# Altium PCB SAMA5D27-SOM1-MFG-03.PcbDoc (part 1 of 6) (continued)
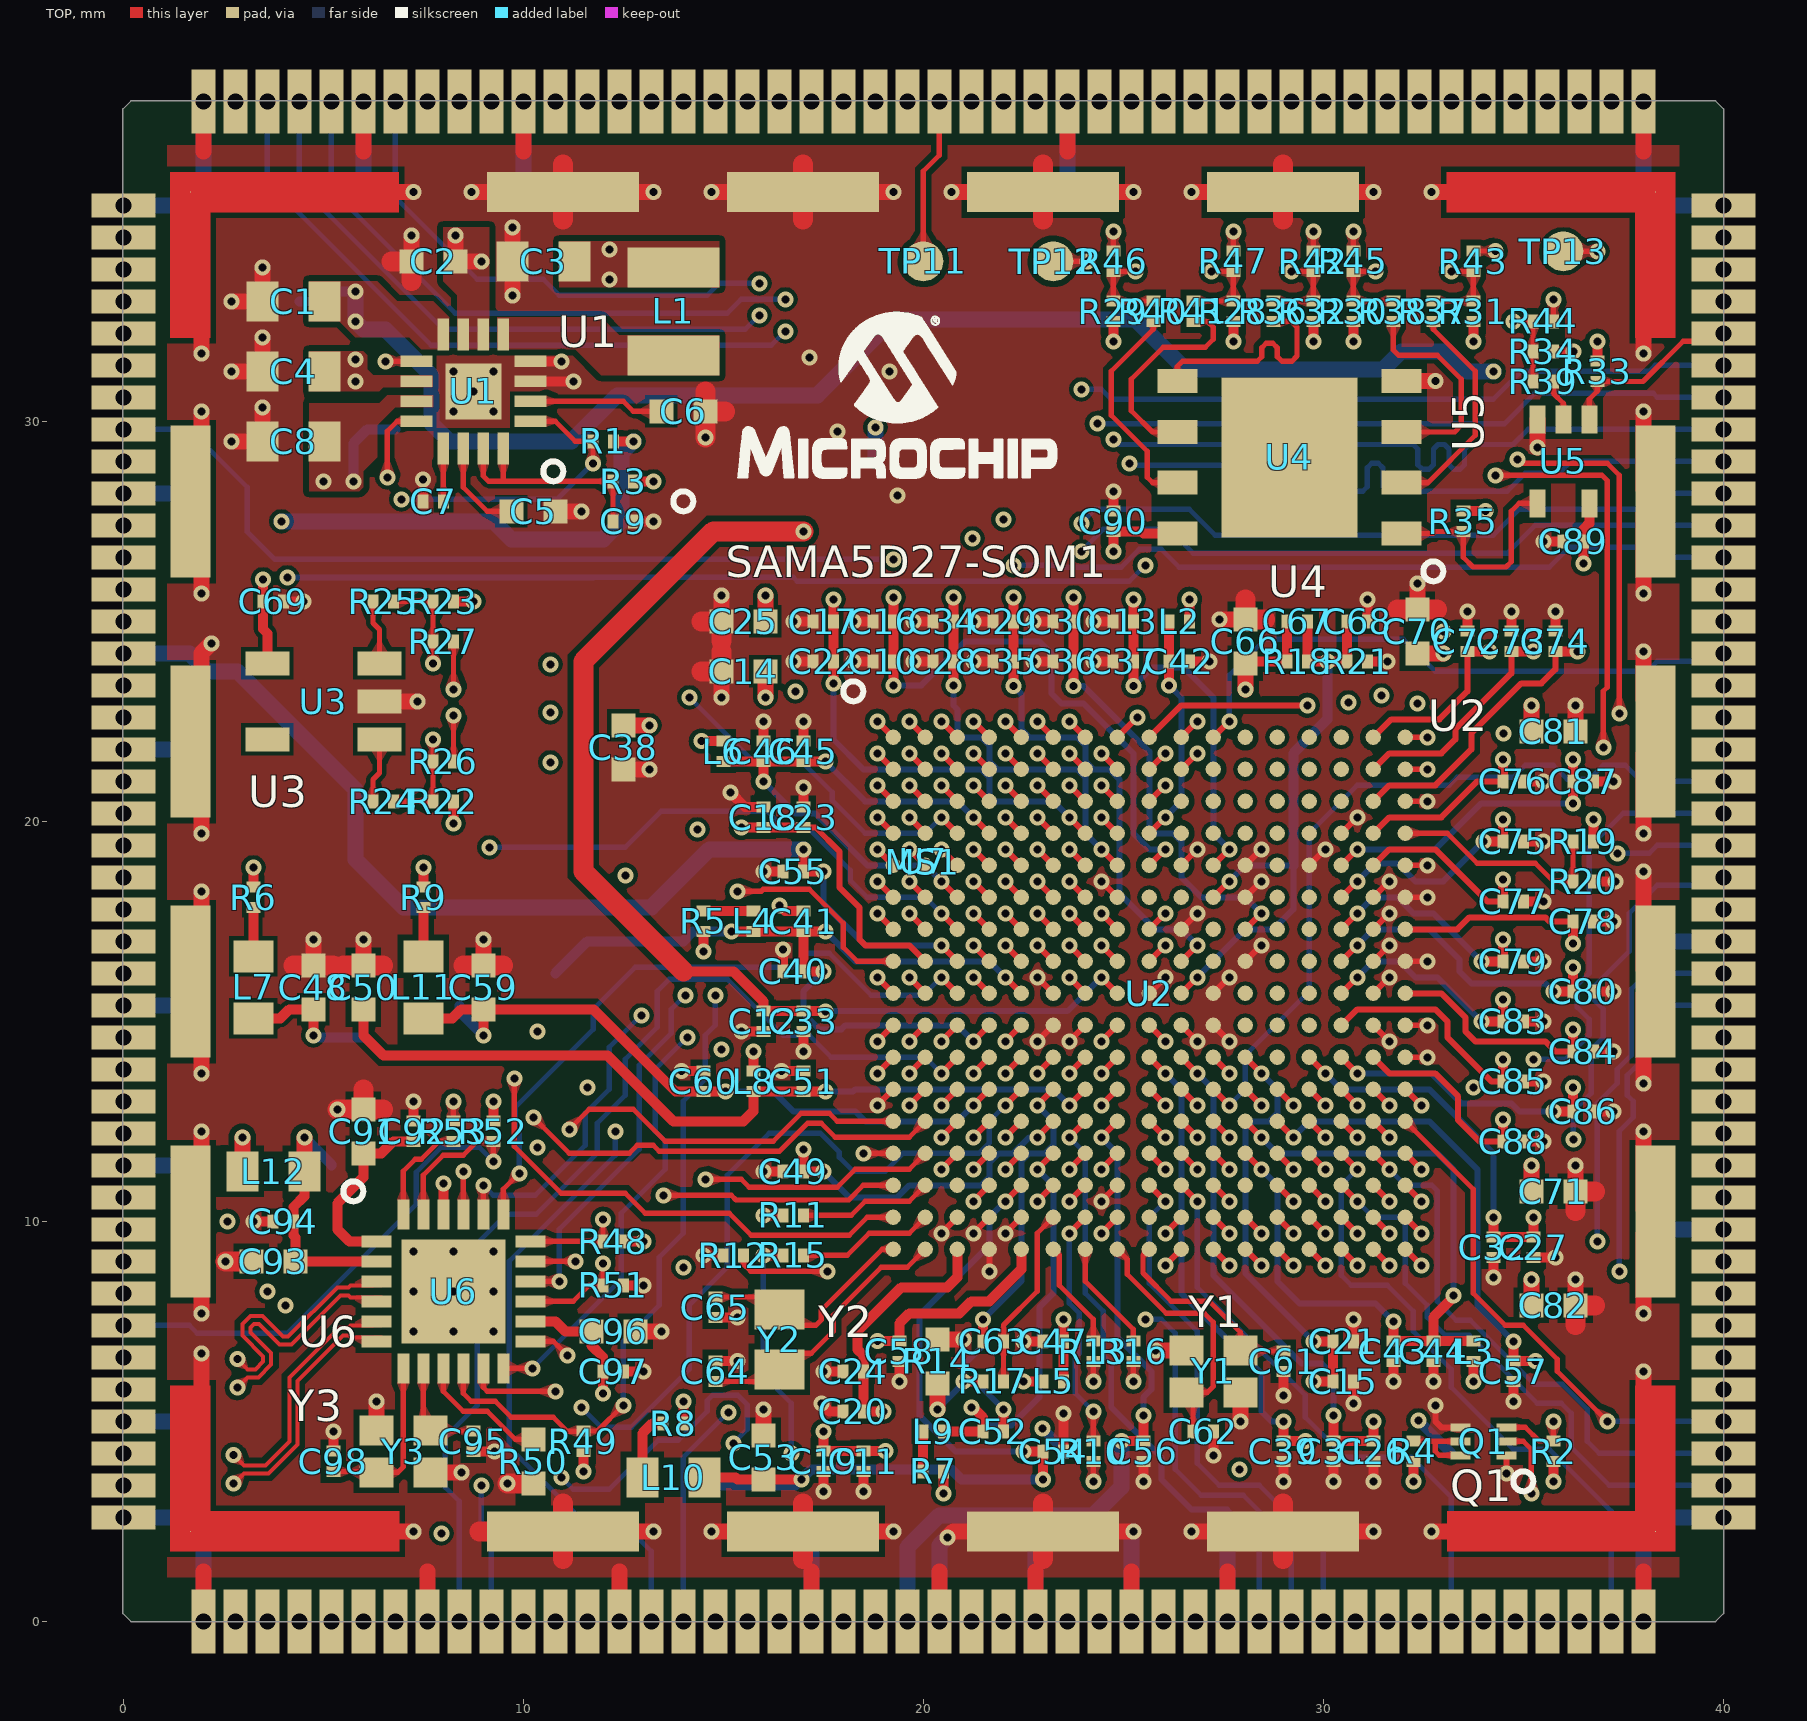
[diagram p0: TOP view]
## Footprints (in the part's own frame and the unit in brackets; to place one, negate y for a bottom-side part, rotate by r counter-clockwise, add the part's x,y. Pads: shape width x height; smd on the part's side, far side on the other; paste and mask are expansions set on the pad) (continued)
BMI-S-206-F_01 [mm] "BMI-S-206-F_01"
  oct 0.025x0.025 smd: 1(-18.315,16.74) 6(-18.315,-16.74) 11(18.315,-16.74) 16(18.315,16.74)
  rect 1x3.8 smd: 2(-18.315,9) 3(-18.315,3) 4(-18.315,-3) 5(-18.315,-9) 12(18.315,-9) 13(18.315,-3) 14(18.315,3) 15(18.315,9)
  rect 3.8x1 smd: 7(-8.995,-16.74) 8(-2.995,-16.74) 9(3.005,-16.74) 10(9.005,-16.74) 17(9.005,16.74) 18(3.005,16.74) 19(-2.995,16.74) 20(-8.995,16.74)
C0201 [mm] "C0201"
  rect 0.28x0.35 smd: 1(-0.255,0) 2(0.255,0)
C0402 [mm] "C0402"
  rect 0.6x0.6 smd: 1(-0.55,0) 2(0.55,0)
C0603 [mm] "C0603"
  rect 0.8x1 smd: 1(-0.775,0) 2(0.775,0)
L0201 [mm] "L0201"
  rect 0.28x0.35 smd: 1(-0.255,0) 2(0.255,0)
L0603_02 [mm] "L0603_02"
  rect 0.8x1 smd: 1(-0.775,0) 2(0.775,0)
L2520 [mm] "L2520"
  rect 1x2.3 smd: 1(-1.1,0) 2(1.1,0)
QFN16_02 [mm] "QFN16_02"
  rect 0.8x0.28 smd: 1(-1.425,0.75) 2(-1.425,0.25) 3(-1.425,-0.25) 4(-1.425,-0.75) 9(1.425,-0.75) 10(1.425,-0.25) 11(1.425,0.25) 12(1.425,0.75)
  rect 0.28x0.8 smd: 5(-0.75,-1.425) 6(-0.25,-1.425) 7(0.25,-1.425) 8(0.75,-1.425) 13(0.75,1.425) 14(0.25,1.425) 15(-0.25,1.425) 16(-0.75,1.425)
  rect 1.4x1.4 smd: 17(0,0)
QFN24_01 [mm] "QFN24_01"
  rect 0.75x0.3 smd: 1(-1.925,1.25) 2(-1.925,0.75) 3(-1.925,0.25) 4(-1.925,-0.25) 5(-1.925,-0.75) 6(-1.925,-1.25) 13(1.925,-1.25) 14(1.925,-0.75) 15(1.925,-0.25) 16(1.925,0.25) 17(1.925,0.75) 18(1.925,1.25)
  rect 0.3x0.75 smd: 7(-1.25,-1.925) 8(-0.75,-1.925) 9(-0.25,-1.925) 10(0.25,-1.925) 11(0.75,-1.925) 12(1.25,-1.925) 19(1.25,1.925) 20(0.75,1.925) 21(0.25,1.925) 22(-0.25,1.925) 23(-0.75,1.925) 24(-1.25,1.925)
  rect 2.6x2.6 smd: 25(0,0)
QUARTZ-NX2012SA_01 [mm] "QUARTZ-NX2012SA_01"
  rect 1x1.25 smd: 1(-0.75,0) 2(0.75,0)
QUARTZ-NX2016HA_01 [mm] "QUARTZ-NX2016HA_01"
  rect 0.85x0.75 smd: 1(-0.675,-0.525) 2(0.675,-0.525) 3(0.675,0.525) 4(-0.675,0.525)
QUARTZ-NX2016SA_01 [mm] "QUARTZ-NX2016SA_01"
  rect 0.85x0.75 smd: 1(-0.675,-0.525) 2(0.675,-0.525) 3(0.675,0.525) 4(-0.675,0.525)
R0201 [mm] "R0201"
  rect 0.28x0.35 smd: 1(-0.255,0) 2(0.255,0)
R0402 [mm] "R0402"
  rect 0.6x0.6 smd: 1(-0.55,0) 2(0.55,0)
SAMA5D27-DXG-SOM1 [mm] "SAMA5D27-DXG-SOM1"
  rect 1.6x0.6 hole 0.4: 1(-20,16.4) 2(-20,15.6) 3(-20,14.8) 4(-20,14) 5(-20,13.2) 6(-20,12.4) 7(-20,11.6) 8(-20,10.8) 9(-20,10) 10(-20,9.2) 11(-20,8.4) 12(-20,7.6) 13(-20,6.8) 14(-20,6) 15(-20,5.2) 16(-20,4.4) 17(-20,3.6) 18(-20,2.8) 19(-20,2) 20(-20,1.2) 21(-20,0.4) 22(-20,-0.4) 23(-20,-1.2) 24(-20,-2) 25(-20,-2.8) 26(-20,-3.6) 27(-20,-4.4) 28(-20,-5.2) 29(-20,-6) 30(-20,-6.8) 31(-20,-7.6) 32(-20,-8.4) 33(-20,-9.2) 34(-20,-10) 35(-20,-10.8) 36(-20,-11.6) 37(-20,-12.4) 38(-20,-13.2) 39(-20,-14) 40(-20,-14.8) 41(-20,-15.6) 42(-20,-16.4) 89(20,-16.4) 90(20,-15.6) 91(20,-14.8) 92(20,-14) 93(20,-13.2) 94(20,-12.4) 95(20,-11.6) 96(20,-10.8) 97(20,-10) 98(20,-9.2) 99(20,-8.4) 100(20,-7.6) 101(20,-6.8) 102(20,-6) 103(20,-5.2) 104(20,-4.4) 105(20,-3.6) 106(20,-2.8) 107(20,-2) 108(20,-1.2) 109(20,-0.4) 110(20,0.4) 111(20,1.2) 112(20,2) 113(20,2.8) 114(20,3.6) 115(20,4.4) 116(20,5.2) 117(20,6) 118(20,6.8) 119(20,7.6) 120(20,8.4) 121(20,9.2) 122(20,10) 123(20,10.8) 124(20,11.6) 125(20,12.4) 126(20,13.2) 127(20,14) 128(20,14.8) 129(20,15.6) 130(20,16.4)
  rect 0.6x1.6 hole 0.4: 43(-18,-19) 44(-17.2,-19) 45(-16.4,-19) 46(-15.6,-19) 47(-14.8,-19) 48(-14,-19) 49(-13.2,-19) 50(-12.4,-19) 51(-11.6,-19) 52(-10.8,-19) 53(-10,-19) 54(-9.2,-19) 55(-8.4,-19) 56(-7.6,-19) 57(-6.8,-19) 58(-6,-19) 59(-5.2,-19) 60(-4.4,-19) 61(-3.6,-19) 62(-2.8,-19) 63(-2,-19) 64(-1.2,-19) 65(-0.4,-19) 66(0.4,-19) 67(1.2,-19) 68(2,-19) 69(2.8,-19) 70(3.6,-19) 71(4.4,-19) 72(5.2,-19) 73(6,-19) 74(6.8,-19) 75(7.6,-19) 76(8.4,-19) 77(9.2,-19) 78(10,-19) 79(10.8,-19) 80(11.6,-19) 81(12.4,-19) 82(13.2,-19) 83(14,-19) 84(14.8,-19) 85(15.6,-19) 86(16.4,-19) 87(17.2,-19) 88(18,-19) 131(18,19) 132(17.2,19) 133(16.4,19) 134(15.6,19) 135(14.8,19) 136(14,19) 137(13.2,19) 138(12.4,19) 139(11.6,19) 140(10.8,19) 141(10,19) 142(9.2,19) 143(8.4,19) 144(7.6,19) 145(6.8,19) 146(6,19) 147(5.2,19) 148(4.4,19) 149(3.6,19) 150(2.8,19) 151(2,19) 152(1.2,19) 153(0.4,19) 154(-0.4,19) 155(-1.2,19) 156(-2,19) 157(-2.8,19) 158(-3.6,19) 159(-4.4,19) 160(-5.2,19) 161(-6,19) 162(-6.8,19) 163(-7.6,19) 164(-8.4,19) 165(-9.2,19) 166(-10,19) 167(-10.8,19) 168(-11.6,19) 169(-12.4,19) 170(-13.2,19) 171(-14,19) 172(-14.8,19) 173(-15.6,19) 174(-16.4,19) 175(-17.2,19) 176(-18,19)
SOT23-5_02 [mm] "SOT23-5_02"
  rect 0.6x1.1 smd: 1(-0.95,-1.405) 2(0,-1.405) 3(0.95,-1.405) 4(0.95,1.395) 5(-0.95,1.395)
SOT353_01 [mm] "SOT353_01"
  rect 0.7x0.4 smd: 1(-1.05,0.65) 2(-1.05,0) 3(-1.05,-0.65) 4(1.05,-0.65) 5(1.05,0.65)
SOT963_01 [mm] "SOT963_01"
  rect 0.2x0.5 smd: 1(-0.35,-0.575) 2(0,-0.575) 3(0.35,-0.575) 4(0.35,0.575) 5(0,0.575) 6(-0.35,0.575)
TP-CMSROND-1MM_02 [mm] "TP-CMSROND-1MM_02"
  round 1 smd: 1(0,0)
WDFN08_01 [mm] "WDFN08_01"
  rect 0.6x1 smd: 1(-1.905,-2.8) 2(-0.635,-2.8) 3(0.635,-2.8) 4(1.905,-2.8) 5(1.905,2.8) 6(0.635,2.8) 7(-0.635,2.8) 8(-1.905,2.8)
  rect 4x3.4 smd: 9(0,0)

## Part data
C1 C3 C8: library part C0603-10uF-X5R-10V-10%
C2 C48 C50 C53 C59 C66: library part C0402-4.7uF-X5R-6.3V-10%
C4: library part C0603-2.2uF-X7R-6.3V-10%
C5 C6: library part C0402-100nF-X7R-16V-10%
C7: library part C0201-10nF-X7R-10V
C9 C10 C11 C21 C22 C23 C24 C31 C32 C33 C34 C35 C36 C37 C39 C40 C41 C42 C43 C44 C45 C46 C47 C49 C51 C52 C54 C55 C56 C57 C58 C60 C67 C68 C69 C72 C73 C74 C75 C76 C77 C78 C79 C80 C83 C84 C85 C86 C87 C88 C89 C90 C92 C94 C97: library part C0201-100nF-X5R-6.3V
C12 C13 C15 C16 C17 C18 C19 C20 C26 C27 C28 C29 C30: library part C0201-1nF-X7R-16V-10%
C14 C25 C38 C93 C96: library part C0402-10uF-X5R-6.3V
C61 C62: library part C0201-12pF-C0G-50V
C63: library part C0201-10pF-C0G-25V
C64 C65: library part C0201-8pF-C0G-50V
C70 C71 C81 C82 C91: library part C0402-2.2uF-X5R-6.3V
C95 C98: library part C0201-22pF-C0G-50V
L1: library part MLP2520H2R2MT0S1
L2 L3 L4 L5 L6 L8 L9: library part BLM03AX100SZ1
L7 L10 L11: library part MLZ1608N100L
L12: library part BLM18PG181SN1D
MS1: library part BMI-S-206-F
Q1: library part DMN26D0UDJ-7
R1 R4: library part R0201-100K-5%
R2 R12 R33 R35 R51 R52: library part R0201-10K-5%
R3: library part R0201-56K-5%
R5 R7 R19 R20 R53: library part R0201-0R
R6 R8 R9: library part R0201-2.2R-5%
R10 R11 R15: library part R0201-100R-5%
R13 R16: library part R0201-100R-1%
R14: library part R0402-0R
R17: library part R0201-5.62K-1%
R18 R21: library part R0201-1.5K-1%
R22 R23: library part R0201-2.2K-5%
R24 R25 R26 R27 R36 R37 R38 R39 R40 R41 R42 R43 R44 R45 R46 R47: library part R0201-22R-5%
R28 R29 R30 R31 R32 R34: library part R0201-10K-5%-DNP
R48 R49: library part R0201-1K-5%
R50: library part R0402-6.49K-1%
TP1 TP2 TP3 TP4 TP5 TP6 TP7 TP8 TP9 TP10 TP11 TP12 TP13: library part TP
U1: library part MIC2800-G1JJYML
U2: library part SAMA5D27C-D1G-CU
U3: library part 24AA02E48T-I-OT
U4: library part SST26VF064B-104I-MF
U5: library part NL17SZ126DFT2G
U6: library part KSZ8081RNAIA
U7: library part SAMA5D27-SOM1-2
Y1: library part NX2016SA_24MHz
Y2: library part NX2012SA_32-768KHz
Y3: library part NX2016HA_25MHz

## Via types
v1: diameter 0.4, hole 0.2, TOP to BOTTOM, tented both sides, 644 vias

## Nets (pads, with @x,y where several pads share a name; then routed paths per layer and width w, separated by ;. In a path a pad name is that pad's centre, name@x,y a point inside that pad or via, vN(x,y) a via of type N, cw(c..) or ccw(c..) an arc to the next point about the centre after c; other vN are vias at no path point)
CLK_AUDIO: U2.T8 U7.61 | length 14.9
  TOP w0.15: v1(24.45,9.7) U2.T8@24.85,10.1
  IN2 w0.09: U7.61@16.4,0 16.4,1.25 17.45,2.3 18.3,2.3 20.8,4.8 22.25,4.8 23.25,5.8 23.25,6.2 24.15,7.1 24.15,8.4 24.45,8.7 v1(24.45,9.7)
COMPN: R16.2 U7.64 | length 10.8
  TOP w0.13: v1(25.25,6) R16.2@25.25,6.495
  IN2 w0.09: U7.64@18.8,0 18.8,1 19.1,1.3 20.5,1.3 21.4,2.2 22.85,2.2 23.85,3.2 23.85,3.95 24.85,4.95 24.85,5.6 v1(25.25,6)
COMPP: R13.2 U7.63 | length 10.9
  TOP w0.13: v1(24.25,6) R13.2@24.25,6.495
  IN2 w0.09: U7.63@18,0 18,1.05 18.65,1.7 19.4,1.7 20.3,2.6 22.7,2.6 23.45,3.35 23.45,4.5 23.875,4.925 23.875,5.625 v1(24.25,6)
DATA: U2.T12 U7.74 | length 11.3
  TOP w0.15: U2.T12@28.05,10.1 v1(28.45,9.7)
  IN2 w0.09: U7.74@26.8,0 26.8,1.35 28.6,3.15 28.6,6.45 28.85,6.7 28.85,9.3 v1(28.45,9.7)
DDR_VREF: C67.1 C68.2 R18.1 R21.2 U2.F11 U2.J10 | length 15.5
  TOP w0.15: U2.J10@26.45,15.7 v1(26.85,16.1) ; U2.F11@27.25,18.1 v1(27.65,18.5)
  TOP w0.25: C67.1@29.605,25 R18.1@29.605,24 v1(30.1,24) R21.2@30.595,24 C68.2@30.595,25
  BOTTOM w0.15: v1(26.85,16.1) 28.05,17.3 28.75,17.3 29.25,17.8 29.25,18.9 28.05,18.9 v1(27.65,18.5)
  BOTTOM w0.25: 29.25,18.9 29.25,21.7 30.1,22.55 v1(30.1,24)
DIS_BOOT: R33.2 U5.1 U7.126 | length 4.7
  TOP w0.13: U5.1@36.65,30.05 36.65,30.55 36.85,30.75 R33.2@36.85,30.995 37.995,30.995 39,32 39.8,32 U7.126@40,32.2
EEPROM_TWCK_PD22: R22.1 R24.2 R26.2 U2.L6 | length 24.3
  TOP w0.13: R24.2@6.755,20.5 R22.1@7.745,20.5 R26.2@7.745,21.5 v1(7.745,22.05)
  TOP w0.15: v1(22.85,13.7) U2.L6@23.25,14.1
  IN3 w0.09: v1(7.745,22.05) 7.35,21.655 7.35,20.247 12.41,15.187 12.41,14.737 14.362,12.785 17.735,12.785 18.25,13.3 22.45,13.3 v1(22.85,13.7)
EEPROM_TWD_PD21: R23.1 R25.2 R27.2 U2.P1 | length 24.1
  TOP w0.13: R25.2@6.755,25.5 R23.1@7.745,25.5 R27.2@7.745,24.5 v1(7.745,23.95) ; v1(18.5,11.7) U2.P1@19.25,11.7
  IN3 w0.09: v1(7.745,23.95) 6.95,23.155 6.95,20.25 10.131,17.07 10.131,16.958 9.917,16.745 9.917,16.633 9.997,16.554 10.108,16.554 10.322,16.767 10.433,16.767 10.513,16.688 10.513,16.576 10.299,16.362 10.299,16.251 10.379,16.171 10.49,16.171 10.703,16.385 10.815,16.385 12.1,15.1 12.1,14.65 14.25,12.5 17.05,12.5 17.85,11.7 v1(18.5,11.7)
EN_FUSE: C9.2 R3.2 U1.15 U1.16 | length 5.8
  TOP w0.13: U1.15@9,29.325 9,28.63 9.13,28.5 9.5,28.5 ; U1.16@9.5,29.325 9.5,28.5 ; C9.2@12.245,27.5 R3.2@12.245,28.5 9.5,28.5
ETH_INT_IRQ_PD31: R48.1 U2.M8 U6.18 | length 23.4
  TOP w0.13: U6.18@10.175,9.5 R48.1@11.995,9.5 v1(11.995,10.05)
  TOP w0.15: v1(24.45,12.9) U2.M8@24.85,13.3
  IN3 w0.09: v1(11.995,10.05) 11.45,10.05 10.45,9.05 10.45,8.2 11,7.65 14.4,7.65 15.45,8.7 15.45,10.25 15.8,10.6 18.95,10.6 20.05,11.7 23.85,11.7 24.05,11.9 24.05,12.5 v1(24.45,12.9)
ETH_LED0: R52.1 U6.23 U7.36 | length 15.4
  TOP w0.13: U6.23@7.5,10.175 7.5,11.15 8,11.65 8.5,11.65 8.85,12 9.245,12 R52.1@9.25,11.995 v1(9.25,11.5)
  BOTTOM w0.13: U7.36@0,7.4 1.65,7.4 1.85,7.2 4.1,7.2 7.325,10.425 7.325,11.225 7.95,11.85 8.9,11.85 v1(9.25,11.5)
ETH_RXM: U6.3 U7.37 | length 9.3
  TOP w0.1: v1(2.85,6.561) 3.111,6.3 3.3,6.3 3.498,6.498 3.498,6.622 2.98,7.14 2.98,7.43 3.185,7.635 3.475,7.635 3.993,7.118 4.118,7.118 5.35,8.35 5.629,8.35 5.679,8.4 6.225,8.4 U6.3@6.325,8.5
  IN2 w0.08: U7.37@0,6.6 0.25,6.35 0.9,6.35 0.935,6.315 2.604,6.315 v1(2.85,6.561)
ETH_RXP: U6.4 U7.38 | length 9.3
  TOP w0.1: v1(2.85,5.838) 3.111,6.1 3.383,6.1 3.698,6.415 3.698,6.705 3.18,7.223 3.18,7.347 3.268,7.435 3.393,7.435 3.91,6.918 4.2,6.918 5.433,8.15 5.629,8.15 5.679,8.1 6.225,8.1 U6.4@6.325,8
  IN2 w0.08: U7.38@0,5.8 0.25,6.05 0.9,6.05 0.935,6.085 2.603,6.085 v1(2.85,5.838)
ETH_TXM: U6.5 U7.40 | length 9.1
  TOP w0.1: v1(2.754,4.162) 3.016,3.9 3.55,3.9 4.15,4.5 4.15,6.095 5.405,7.35 5.629,7.35 5.679,7.4 6.225,7.4 U6.5@6.325,7.5
  IN2 w0.08: U7.40@0,4.2 0.25,3.95 0.9,3.95 0.935,3.915 2.508,3.915 v1(2.754,4.162)
ETH_TXP: U6.6 U7.41 | length 9.1
  TOP w0.1: v1(2.754,3.439) 3.016,3.7 3.633,3.7 4.35,4.417 4.35,6.012 5.488,7.15 5.629,7.15 5.679,7.1 6.225,7.1 U6.6@6.325,7
  IN2 w0.08: U7.41@0,3.4 0.25,3.65 0.9,3.65 0.935,3.685 2.508,3.685 v1(2.754,3.439)
ETH_XI: C95.2 U6.8 Y3.1 | length 2.7
  TOP w0.13: U6.8@7.5,6.325 7.5,4.95 Y3.1@7.675,4.775 7.695,4.755 C95.2@8.75,4.755
ETH_XO: C98.2 U6.7 Y3.3 | length 4.3
  TOP w0.13: C98.2@5.25,3.745 6.305,3.745 Y3.3@6.325,3.725 6.87,3.725 7,3.855 U6.7@7,6.325
GMDC_PD17: U2.K1 U6.11 | length 21.7
  TOP w0.13: U6.11@9,6.325 9,5.85 9.1,5.75 v1(10.8,5.75)
  TOP w0.15: v1(18.85,14.5) U2.K1@19.25,14.9
  IN2 w0.09: v1(10.35,14.75) 13.5,14.75 13.9,15.15 15.6,15.15 16.1,14.65 17.2,14.65 17.35,14.5 v1(18.85,14.5)
  IN3 w0.09: v1(10.35,14.75) 10.75,14.35 10.75,10.9 9.9,10.05 9.9,7.2 10.8,6.3 v1(10.8,5.75)
GMDIO_PD18: R49.1 U2.J7 U6.10 | length 26.5
  TOP w0.13: U6.10@8.5,6.325 8.5,5.7 8.7,5.5 9.3,5.5 9.7,5.1 10.75,5.1 11.1,4.75 11.495,4.75 R49.1@11.5,4.755 11.855,4.755 v1(12.5,5.4)
  TOP w0.15: v1(23.65,16.1) U2.J7@24.05,15.7
  IN3 w0.09: v1(14.8,15.65) 15.3,16.15 16.45,16.15 16.725,15.875 18.275,15.875 18.45,15.7 23.25,15.7 v1(23.65,16.1)
  BOTTOM w0.13: v1(12.5,5.4) 12.5,7 13.4,7.9 13.4,9.1 14,9.7 14,13 14.55,13.55 14.55,14.65 14.8,14.9 v1(14.8,15.65)
GND: C1.2 C2.1 C3.1 C4.1 C5.1 C6.1 C7.1 C8.1 C9.1 C10.1 C11.1 C12.1 C13.1 C14.1 C15.1 C16.1 C17.1 C18.1 C19.1 C20.1 C21.1 C22.1 C23.1 C24.1 C25.1 C26.1 C27.1 C28.1 C29.1 C30.1 C31.1 C32.1 C33.1 C34.1 C35.1 C36.1 C37.1 C38.1 C39.1 C40.1 C41.1 C42.1 C43.1 C44.1 C45.1 C46.1 C47.1 C48.1 C49.1 C50.1 C51.1 C53.1 C54.1 C55.1 C56.1 C57.1 C58.1 C59.1 C60.1 C61.1 C62.1 C64.1 C65.1 C66.1 C68.1 C69.1 C70.1 C71.1 C72.1 C73.1 C74.1 C75.1 C76.1 C77.1 C78.1 C79.1 C80.1 C81.1 C82.1 C83.1 C84.1 C85.1 C86.1 C87.1 C88.1 C89.1 C90.1 C91.2 C92.1 C93.1 C94.1 C95.1 C96.1 C97.1 C98.1 MS1.1 MS1.2 MS1.3 MS1.4 MS1.5 MS1.6 MS1.7 MS1.8 MS1.9 MS1.10 MS1.11 MS1.12 MS1.13 MS1.14 MS1.15 MS1.16 MS1.17 MS1.18 MS1.19 MS1.20 Q1.1 Q1.4 R12.1 R14.1 R20.2 R21.1 R50.1 R51.1 U1.3 U1.4 U1.17 U2.A17 U2.B17 U2.C17 U2.D6 U2.D15 U2.E3 U2.E10 U2.E12 U2.E14 U2.E17 U2.F2 U2.F8 U2.F12 U2.F16 U2.F17 U2.G10 U2.G16 U2.H5 U2.H12 U2.H16 U2.H17 U2.J6 U2.J9 U2.J11 U2.J16 U2.K6 U2.K7 U2.K10 U2.K11 U2.K16 U2.K17 U2.L17 U2.M1 U2.M12 U2.M14 U2.P5 U2.P11 U2.R6 U2.R8 U2.T3 U2.T4 U2.T5 U2.U4 U3.2 U4.4 U5.3 U6.22 U6.25 U7.1 U7.10 U7.18 U7.26 U7.31 U7.39 U7.42 U7.43 U7.50 U7.56 U7.62 U7.66 U7.69 U7.72 U7.75 U7.88 U7.89 U7.98 U7.107 U7.130 U7.131 U7.149 U7.166 U7.171 U7.176 Y1.2 Y1.4 Y3.2 Y3.4 | length 392.8
  TOP w0.13: U2.L17@32.05,14.1 v1(32.6,14.1) ; U2.K17@32.05,14.9 v1(32.6,14.9) ; U2.H17@32.05,16.5 v1(32.6,16.5) ; U2.F17@32.05,18.1 v1(32.6,18.1) ; U2.E17@32.05,18.9 v1(32.6,18.9) ; U2.C17@32.05,20.5 v1(32.6,20.5) ; U2.B17@32.05,21.3 v1(32.6,21.3) ; U2.A17@32.05,22.1 v1(32.6,22.1)
  TOP w0.15: v1(18.85,12.9) U2.M1@19.25,13.3 ; v1(19.65,18.5) U2.F2@20.05,18.1 ; v1(20.45,9.7) U2.T3@20.85,10.1 ; v1(20.45,19.3) U2.E3@20.85,18.9 ; v1(21.25,9.7) U2.T4@21.65,10.1 ; v1(21.65,8.75) U2.U4@21.65,9.3 ; v1(22.05,9.7) U2.T5@22.45,10.1 ; v1(22.05,11.3) U2.P5@22.45,11.7 ; v1(22.05,16.9) U2.H5@22.45,16.5 ; v1(22.85,10.5) U2.R6@23.25,10.9 ; v1(22.85,14.5) U2.K6@23.25,14.9 ; v1(22.85,16.1) U2.J6@23.25,15.7 ; v1(22.85,20.1) U2.D6@23.25,19.7 ; v1(23.65,14.5) U2.K7@24.05,14.9 ; v1(24.45,10.5) U2.R8@24.85,10.9 ; v1(24.45,18.5) U2.F8@24.85,18.1 ; U2.J9@25.65,15.7 v1(26.05,16.1) ; U2.K10@26.45,14.9 v1(26.85,14.5) ; U2.G10@26.45,17.3 v1(26.85,17.7) ; U2.E10@26.45,18.9 v1(26.85,19.3) ; U2.P11@27.25,11.7 v1(27.65,11.3) ; U2.K11@27.25,14.9 v1(27.65,14.5) ; U2.J11@27.25,15.7 v1(27.65,16.1) ; U2.M12@28.05,13.3 v1(28.45,12.9) ; U2.H12@28.05,16.5 v1(28.45,16.9) ; U2.F12@28.05,18.1 v1(28.45,18.5) ; U2.E12@28.05,18.9 v1(28.45,19.3) ; U2.M14@29.65,13.3 v1(30.05,12.9) ; U2.E14@29.65,18.9 v1(30.05,19.3) ; U2.D15@30.45,19.7 v1(30.85,20.1) ; U2.K16@31.25,14.9 v1(31.65,14.5) ; U2.J16@31.25,15.7 v1(31.65,16.1) ; U2.H16@31.25,16.5 v1(31.65,16.9) ; U2.G16@31.25,17.3 v1(31.65,17.7) ; U2.F16@31.25,18.1 v1(31.65,18.5) ; v1(32.8,5.4) 32.8,5 32.95,4.85 Q1.4@33.425,4.85 ; v1(34.575,3.7) Q1.1@34.575,4.15
  TOP w0.25: v1(3.25,10) C94.1@3.745,10 ; C69.1@4.005,25.5 v1(4.5,25.5) ; C98.1@5.25,4.255 v1(5.25,4.75) ; C92.1@7.25,12.505 v1(7.25,13) ; C7.1@7.495,28 v1(7.495,28.55) ; U6.22@8,10.175 v1(8,10.95) ; C95.1@8.75,4.245 v1(9.275,4.245) ; U1.3@10.175,31 v1(11.25,31) ; U1.4@10.175,31.5 v1(10.95,31.5) ; C97.1@12.505,6.25 v1(13,6.25) ; R51.1@12.505,8.4 v1(13,8.4) ; C9.1@12.755,27.5 v1(13.25,27.5) ; v1(13.95,13.755) C60.1@14.5,13.755 ; v1(14.5,9.15) R12.1@14.995,9.15 ; C64.1@14.8,6.505 v1(15.35,6.505) ; C65.1@14.8,7.595 v1(15.35,7.595) ; v1(15.175,20.725) 15.545,20.355 C18.1@16,20.355 ; v1(15.45,14.745) C12.1@16,14.745 ; v1(16,11.25) C49.1@16.495,11.25 ; v1(16,18.75) C55.1@16.495,18.75 ; C46.1@16,22.005 v1(16,22.5) ; v1(16.4,17.9) 16.545,17.755 C41.1@17,17.755 ; v1(16.45,13.755) C51.1@17,13.755 ; C40.1@16.495,16.25 v1(16.495,16.8) ; v1(16.75,24) C22.1@17.245,24 ; v1(16.75,25) C17.1@17.245,25 ; v1(17,14.25) C33.1@17,14.745 ; C23.1@17,20.355 v1(17,20.85) ; C45.1@17,22.005 v1(17,22.5) ; v1(17.45,5.45) 17.65,5.25 C20.1@17.995,5.25 ; v1(17.5,3.25) C19.1@17.5,3.745 ; v1(17.5,6.25) C24.1@17.995,6.25 ; v1(18.25,24) C10.1@18.745,24 ; v1(18.25,25) C16.1@18.745,25 ; v1(18.5,3.25) C11.1@18.5,3.745 ; v1(19.4,6) C58.1@19.4,6.495 ; v1(19.75,24) C28.1@20.245,24 ; v1(19.75,25) C34.1@20.245,25 ; v1(21.25,24) C35.1@21.745,24 ; v1(21.25,25) C29.1@21.745,25 ; v1(22.5,7) C47.1@22.995,7 ; v1(22.75,24) C36.1@23.245,24 ; v1(22.75,25) C30.1@23.245,25 ; C54.1@23.505,4.25 v1(23.505,5.2) ; v1(24.25,24) C37.1@24.745,24 ; v1(24.25,25) C13.1@24.745,25 ; C90.1@24.75,27.755 v1(24.75,28.25) ; v1(25.5,3.5) C56.1@25.5,3.995 ; C42.1@26.655,24 v1(27.15,24) ; v1(27.255,4.15) C62.1@27.255,4.75 ; v1(29,3.5) C39.1@29,3.995 ; v1(29,5.65) C61.1@29,6.245 ; v1(30.25,3.5) C31.1@30.25,3.995 ; v1(30.755,5.45) C15.1@30.755,6 ; C21.1@30.755,7 v1(30.755,7.55) ; R21.1@31.105,24 v1(31.6,24) ; C68.1@31.105,25 v1(31.105,25.55) ; v1(31.25,3.5) C26.1@31.25,3.995 ; v1(31.75,6) C43.1@31.75,6.495 ; v1(32.75,6) C44.1@32.75,6.495 ; C72.1@33.6,24.755 v1(33.6,25.25) ; v1(34.25,8.6) C32.1@34.25,9.095 ; C73.1@34.7,24.755 v1(34.7,25.25) ; v1(34.75,5.5) C57.1@34.75,5.995 ; C88.1@35.005,12 v1(35.5,12) ; C85.1@35.005,13.5 v1(35.5,13.5) ; C83.1@35.005,15 v1(35.5,15) ; C79.1@35.005,16.5 v1(35.5,16.5) ; C77.1@35.005,18 v1(35.5,18) ; C75.1@35.005,19.5 v1(35.5,19.5) ; C76.1@35.005,21 v1(35.5,21) ; C27.1@35.25,9.095 v1(35.8,9.095) ; v1(35.5,27) C89.1@35.995,27 ; C74.1@35.8,24.755 v1(35.8,25.25) ; C86.1@36.755,12.75 v1(37.25,12.75) ; C84.1@36.755,14.25 v1(37.25,14.25) ; C80.1@36.755,15.75 v1(37.25,15.75) ; C78.1@36.755,17.5 v1(37.25,17.5) ; R20.2@36.755,18.5 v1(37.3,18.5) ; C87.1@36.755,21 v1(37.25,21)
  TOP w0.4: v1(1.95,6.7) 1.95,2.525 MS1.6@1.675,2.25 v1(7.25,2.25) ; v1(1.95,7.7) 1.95,9.715 MS1.5@1.675,9.99 1.95,10.265 v1(1.95,12.25) ; v1(1.95,13.7) 1.95,15.715 MS1.4@1.675,15.99 1.95,16.265 v1(1.95,18.25) ; v1(1.95,19.7) 1.95,21.715 MS1.3@1.675,21.99 1.95,22.265 1.95,24.2 v1(2.2,24.45) ; v1(1.95,25.7) 1.95,27.715 MS1.2@1.675,27.99 1.95,28.265 v1(1.95,30.25) ; v1(1.95,31.7) 1.95,35.455 MS1.1@1.675,35.73 v1(7.25,35.73) ; U7.43@2,0 2,1.25 ; 2,36.75 U7.176@2,38 ; v1(2.7,29.5) C8.1@3.475,29.5 v1(3.475,30.35) ; v1(2.7,31.25) C4.1@3.475,31.25 v1(3.475,32.1) ; v1(2.7,33) C1.2@3.475,33 v1(3.475,33.85) ; C48.1@4.75,16.4 v1(4.75,17.05) ; C50.1@6,16.4 v1(6,17.05) ; 6,36.75 U7.171@6,38 ; Y3.2@6.325,4.775 v1(6.325,5.5) ; U3.2@6.405,23 v1(7.35,23) ; C2.1@7.2,34 v1(7.2,34.65) ; U7.50@7.6,0 7.6,1.25 ; Y3.4@7.675,3.725 v1(8.45,3.725) ; v1(8.7,35.73) MS1.20@10.995,35.73 v1(13.25,35.73) ; C59.1@9,16.4 v1(9,17.05) ; v1(9.725,33.15) v1(9.725,34.85) ; 10,36.75 U7.166@10,38 ; C5.1@10.8,27.75 v1(11.45,27.75) ; MS1.7@10.995,2.25 v1(13.25,2.25) ; U7.56@12.4,0 12.4,1.25 ; C38.1@12.5,21.3 v1(13.15,21.3) ; C96.1@12.8,7.25 v1(13.45,7.25) ; v1(14.7,2.25) MS1.8@16.995,2.25 v1(19.25,2.25) ; v1(14.7,35.73) MS1.19@16.995,35.73 v1(19.25,35.73) ; v1(14.95,23.1) C14.1@14.95,23.75 ; C25.1@14.95,25 v1(14.95,25.65) ; C53.1@16,4.65 v1(16,5.3) ; U7.62@17.2,0 17.2,1.25 ; R14.1@20.35,7.05 v1(21,7.05) ; U7.66@20.4,0 20.4,1.25 ; v1(20.6,2.1) 20.75,2.25 MS1.9@22.995,2.25 v1(25.25,2.25) ; v1(20.7,35.73) MS1.18@22.995,35.73 v1(25.25,35.73) ; U7.69@22.8,0 22.8,1.25 ; 23.6,36.75 U7.149@23.6,38 ; U7.72@25.2,0 25.2,1.25 ; v1(25.8,6.775) Y1.2@26.575,6.775 ; v1(26.7,2.25) MS1.10@28.995,2.25 v1(31.25,2.25) ; v1(26.7,35.73) MS1.17@28.995,35.73 v1(31.25,35.73) ; v1(27.4,25.05) C66.1@28.05,25.05 ; U7.75@27.6,0 27.6,1.25 ; v1(27.925,5) Y1.4@27.925,5.725 ; U4.4@31.95,31.005 v1(32.8,31.005) ; C70.1@32.35,25.3 v1(32.35,25.95) ; v1(32.7,2.25) MS1.11@38.305,2.25 38,2.555 v1(38,6.25) ; v1(32.7,35.73) MS1.16@38.305,35.73 38,35.425 v1(38,31.7) ; v1(35.35,29.35) U5.3@35.35,30.05 ; C82.1@36.3,7.9 v1(36.3,8.55) ; C71.1@36.3,10.75 v1(36.3,11.4) ; C81.1@36.3,22.25 v1(36.3,22.9) ; U7.88@38,0 38,1.25 ; v1(38,7.7) 38,9.685 MS1.12@38.305,9.99 38,10.295 v1(38,12.25) ; v1(38,13.45) 38,15.685 MS1.13@38.305,15.99 38,16.295 v1(38,18.75) ; v1(38,19.7) 38,21.685 MS1.14@38.305,21.99 38.305,22.745 38,23.05 v1(38,24.25) ; v1(38,25.7) 38,27.685 MS1.15@38.305,27.99 38,28.295 v1(38,30.25) ; 38,36.75 U7.131@38,38
  TOP w0.5: v1(2.55,9) C93.1@3.2,9 ; 4.26,16.4 C48.1@4.75,16.4 5.24,16.4 ; v1(5.35,12.8) C91.2@6,12.8 ; 5.51,16.4 C50.1@6,16.4 6.49,16.4 ; 6,13.29 C91.2@6,12.8 ; 6.49,12.8 C91.2@6,12.8 ; 6.71,34 C2.1@7.2,34 7.2,33.51 ; 8.51,16.4 C59.1@9,16.4 9.49,16.4 ; 8.905,2.25 MS1.7@10.995,2.25 ; v1(9.6,3.45) R50.1@10.25,3.45 ; 10.995,1.56 MS1.7@10.995,2.25 ; 10.995,2.94 MS1.7@10.995,2.25 ; 10.995,35.04 MS1.20@10.995,35.73 10.995,36.42 ; 14.46,23.75 C14.1@14.95,23.75 14.95,24.24 ; 14.46,25 C25.1@14.95,25 14.95,24.51 ; v1(14.55,29.6) C6.1@14.55,30.25 ; 14.55,30.74 C6.1@14.55,30.25 ; 15.04,30.25 C6.1@14.55,30.25 ; 16.995,1.56 MS1.8@16.995,2.25 16.995,2.94 ; 16.995,35.04 MS1.19@16.995,35.73 16.995,36.42 ; 22.995,1.56 MS1.9@22.995,2.25 22.995,2.94 ; 22.995,35.04 MS1.18@22.995,35.73 22.995,36.42 ; 28.05,25.54 C66.1@28.05,25.05 28.54,25.05 ; 28.995,1.56 MS1.10@28.995,2.25 28.995,2.94 ; 28.995,35.04 MS1.17@28.995,35.73 28.995,36.42 ; 31.86,25.3 C70.1@32.35,25.3 32.84,25.3 ; 36.3,7.41 C82.1@36.3,7.9 36.79,7.9 ; 36.3,10.26 C71.1@36.3,10.75 36.79,10.75
  GND w0.4: U7.42@0,2.6 1.4,2.6 ; U7.39@0,5 1.4,5 ; U7.31@0,11.4 1.4,11.4 ; U7.26@0,15.4 1.4,15.4 ; U7.18@0,21.8 1.4,21.8 ; U7.10@0,28.2 1.4,28.2 ; U7.1@0,35.4 1.4,35.4 ; U7.43@2,0 2,1.4 ; 2,36.6 U7.176@2,38 ; 6,36.6 U7.171@6,38 ; U7.50@7.6,0 7.6,1.4 ; 10,36.6 U7.166@10,38 ; U7.56@12.4,0 12.4,1.4 ; U7.62@17.2,0 17.2,1.4 ; U7.66@20.4,0 20.4,1.4 ; U7.69@22.8,0 22.8,1.4 ; 23.6,36.6 U7.149@23.6,38 ; U7.72@25.2,0 25.2,1.4 ; U7.75@27.6,0 27.6,1.4 ; U7.88@38,0 38,1.4 ; 38,36.6 U7.131@38,38 ; 38.6,2.6 U7.89@40,2.6 ; 38.6,9.8 U7.98@40,9.8 ; 38.6,17 U7.107@40,17 ; 38.6,35.4 U7.130@40,35.4
  IN2 w0.09: 24.95,1.15 24.95,0.25 U7.72@25.2,0 ; 25.2,1.15 U7.72@25.2,0 ; 25.45,1.15 25.45,0.25 U7.72@25.2,0
  IN2 w0.4: U7.42@0,2.6 1.4,2.6 ; U7.39@0,5 1.4,5 ; U7.31@0,11.4 1.4,11.4 ; U7.26@0,15.4 1.4,15.4 ; U7.18@0,21.8 1.4,21.8 ; U7.10@0,28.2 1.4,28.2 ; U7.1@0,35.4 1.4,35.4 ; U7.43@2,0 2,1.4 ; 2,36.6 U7.176@2,38 ; U7.50@7.6,0 7.6,1.4 ; U7.56@12.4,0 12.4,1.4 ; U7.62@17.2,0 17.2,1.4 ; U7.69@22.8,0 22.8,1.15 ; U7.75@27.6,0 27.6,1.25 ; U7.88@38,0 38,1.4 ; U7.131@38,38 38.1,37.9 38.1,37.1 38.4,36.8 ; 38.6,2.6 U7.89@40,2.6 ; 38.6,9.8 U7.98@40,9.8 ; 38.6,17 U7.107@40,17 ; 38.6,35.4 U7.130@40,35.4
  IN3 w0.4: U7.42@0,2.6 1.4,2.6 ; U7.39@0,5 1.4,5 ; U7.31@0,11.4 1.4,11.4 ; U7.26@0,15.4 1.4,15.4 ; U7.18@0,21.8 1.4,21.8 ; U7.10@0,28.2 1.4,28.2 ; U7.1@0,35.4 1.4,35.4 ; U7.43@2,0 2,1.4 ; 2,36.6 U7.176@2,38 ; 6,36.6 U7.171@6,38 ; 10,36.6 U7.166@10,38 ; U7.56@12.4,0 12.4,1.4 ; U7.62@17.2,0 17.2,1.4 ; U7.66@20.4,0 20.4,1.4 ; U7.69@22.8,0 22.8,1.4 ; 23.6,36.6 U7.149@23.6,38 ; U7.72@25.2,0 25.2,1.4 ; U7.75@27.6,0 27.6,1.4 ; U7.88@38,0 38,1.4 ; 38,36.6 U7.131@38,38 ; 38.6,2.6 U7.89@40,2.6 ; 38.6,9.8 U7.98@40,9.8 ; 38.6,35.4 U7.130@40,35.4
  BOTTOM w0.4: U7.42@0,2.6 1.95,2.6 ; U7.39@0,5 1.95,5 ; U7.31@0,11.4 1.95,11.4 ; U7.26@0,15.4 1.95,15.4 ; U7.18@0,21.8 1.95,21.8 ; U7.10@0,28.2 1.95,28.2 ; U7.1@0,35.4 1.95,35.4 ; U7.43@2,0 2,1.95 ; 2,36.05 U7.176@2,38 ; 6,36.05 U7.171@6,38 ; 10,36.05 U7.166@10,38 ; U7.62@17.2,0 17.2,1.95 ; U7.66@20.4,0 20.4,1.9 v1(20.6,2.1) ; U7.69@22.8,0 22.8,1.95 ; 23.6,36.05 U7.149@23.6,38 ; U7.72@25.2,0 25.2,2.2 v1(25.25,2.25) ; U7.75@27.6,0 27.6,1.95 ; U7.88@38,0 38,1.95 ; 38,36.05 U7.131@38,38 ; 38.05,2.6 U7.89@40,2.6 ; 38.05,9.8 U7.98@40,9.8 ; 38.05,35.4 U7.130@40,35.4 ; 38.1,17 U7.107@40,17
  other v1: 7.25,7.25 8.25,7.25 9.25,7.25 7.25,8.25 8.25,8.25 9.25,8.25 7.25,9.25 8.25,9.25 9.25,9.25 19.35,28.15 17.85,29.75 8.25,30.25 9.25,30.25 8.75,30.75 8.25,31.25 9.25,31.25 19.15,31.25 17.15,31.6
GNDUTMII: C52.1 C63.1 R14.2 R17.1 U2.M6 | length 13.3
  TOP w0.15: v1(22.85,12.9) U2.M6@23.25,13.3
  TOP w0.25: v1(21,6) R17.1@21.495,6 ; C63.1@21.495,7 v1(21.495,7.55) ; C52.1@22.005,4.75 v1(22.005,5.3)
  TOP w0.4: v1(20.35,5.3) R14.2@20.35,5.95
  BOTTOM w0.15: v1(20.35,5.3) 21,5.95 v1(21,6) ; v1(22.005,5.3) 21.305,6 v1(21,6) ; v1(22.85,12.9) 23.25,12.5 23.25,11.9 23.05,11.7 22.65,11.7 22.45,11.5 22.45,8.505 v1(21.495,7.55) 21.495,6.895 21,6.4 v1(21,6)